# Altium PCB LED_MATRIX_8X16_MONO_R1.PcbDoc (part 1 of 2)
Units mm, origin at the board's own origin, x right, y up, seen from the top; angles counter-clockwise.
Board outline 474.95 x 224.95 mm, 2 copper layers (L1 (TOP), L2 (BOT)); 180 components, 159 nets, 556 pads, 137 vias.
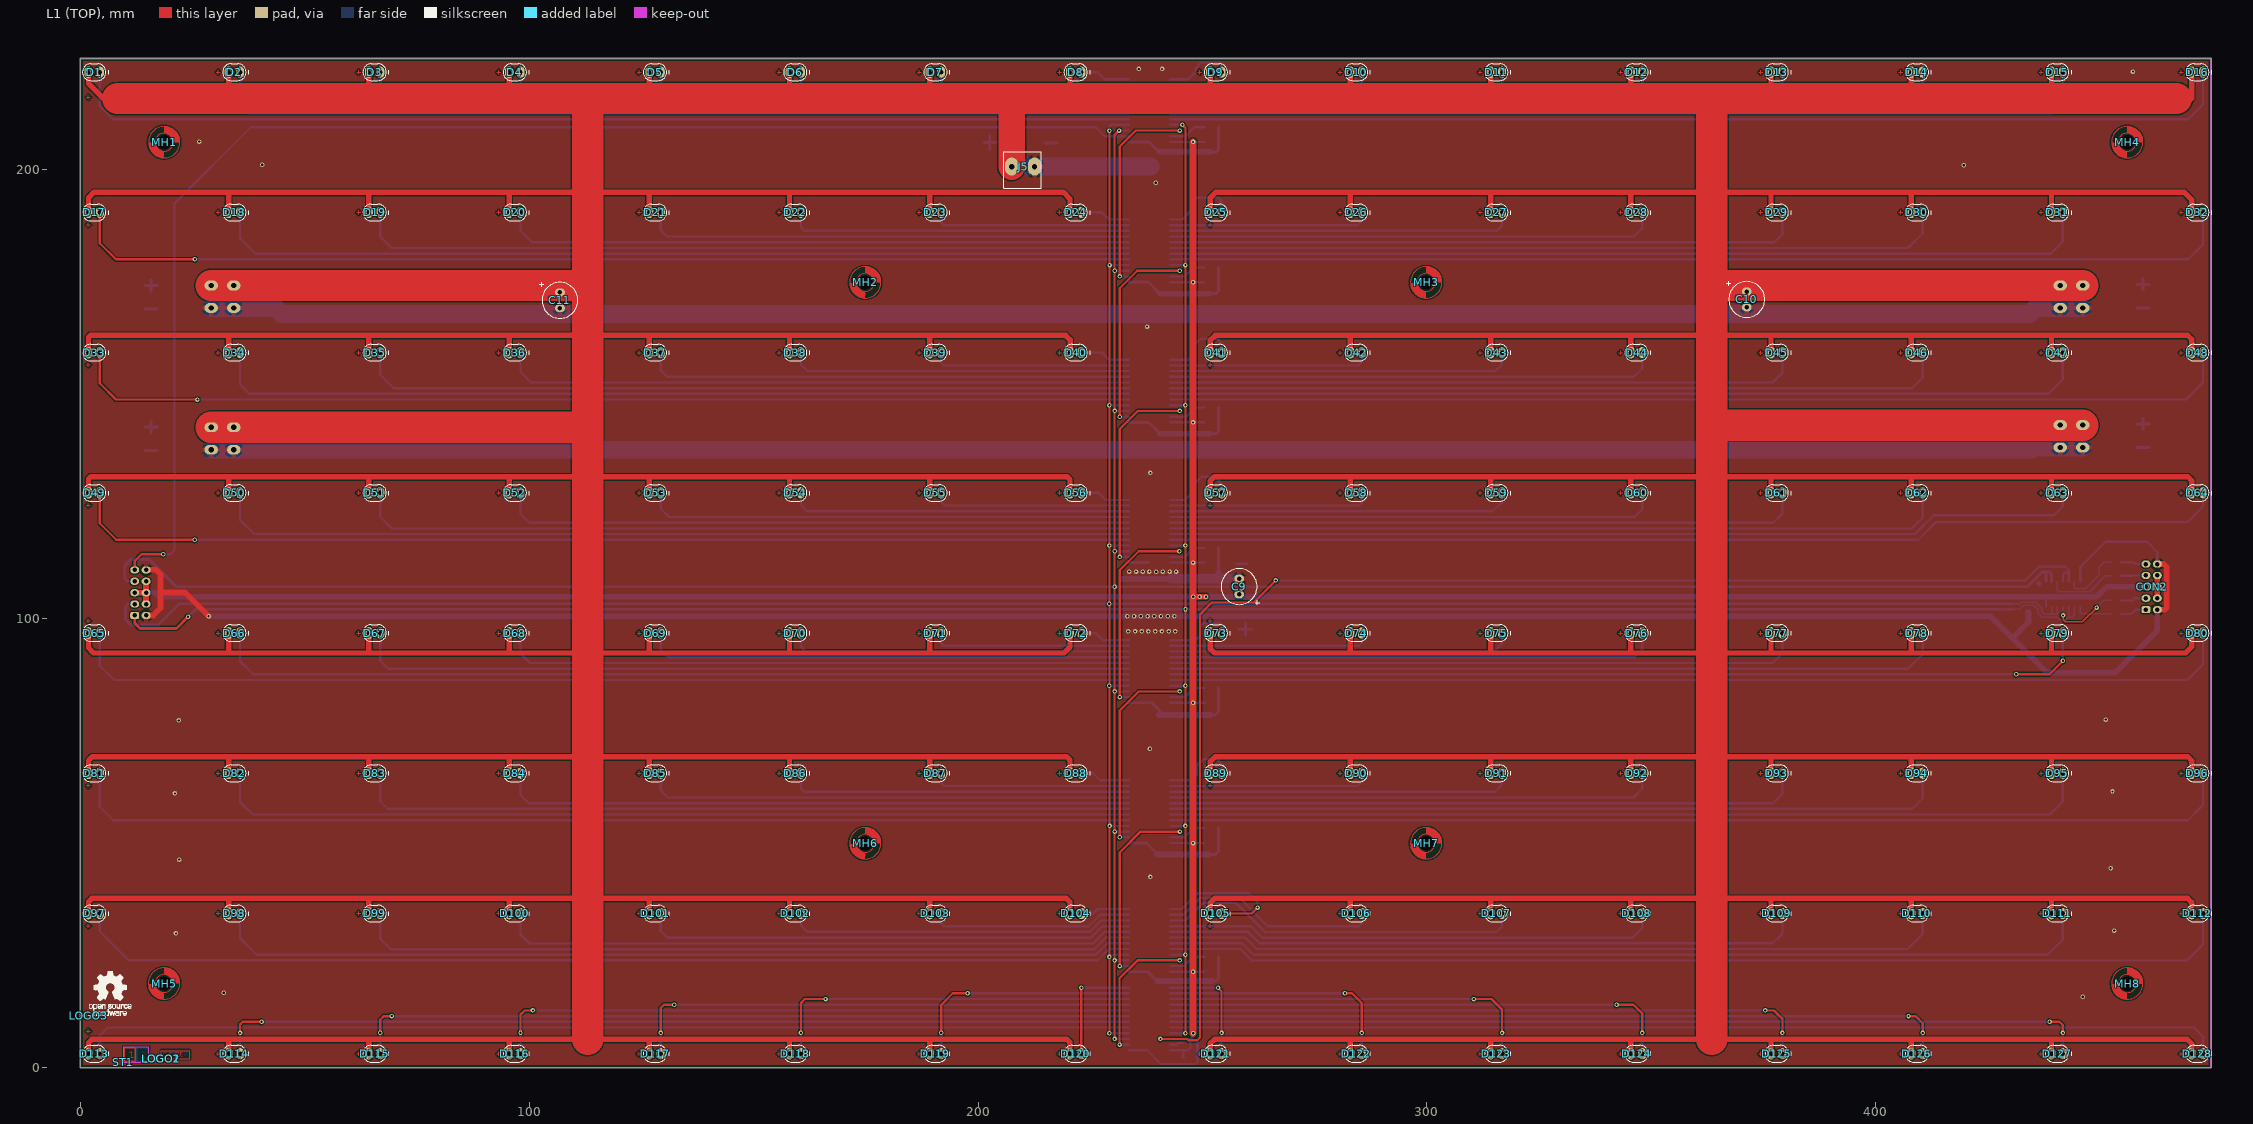
[diagram p0: L1 (TOP) view]
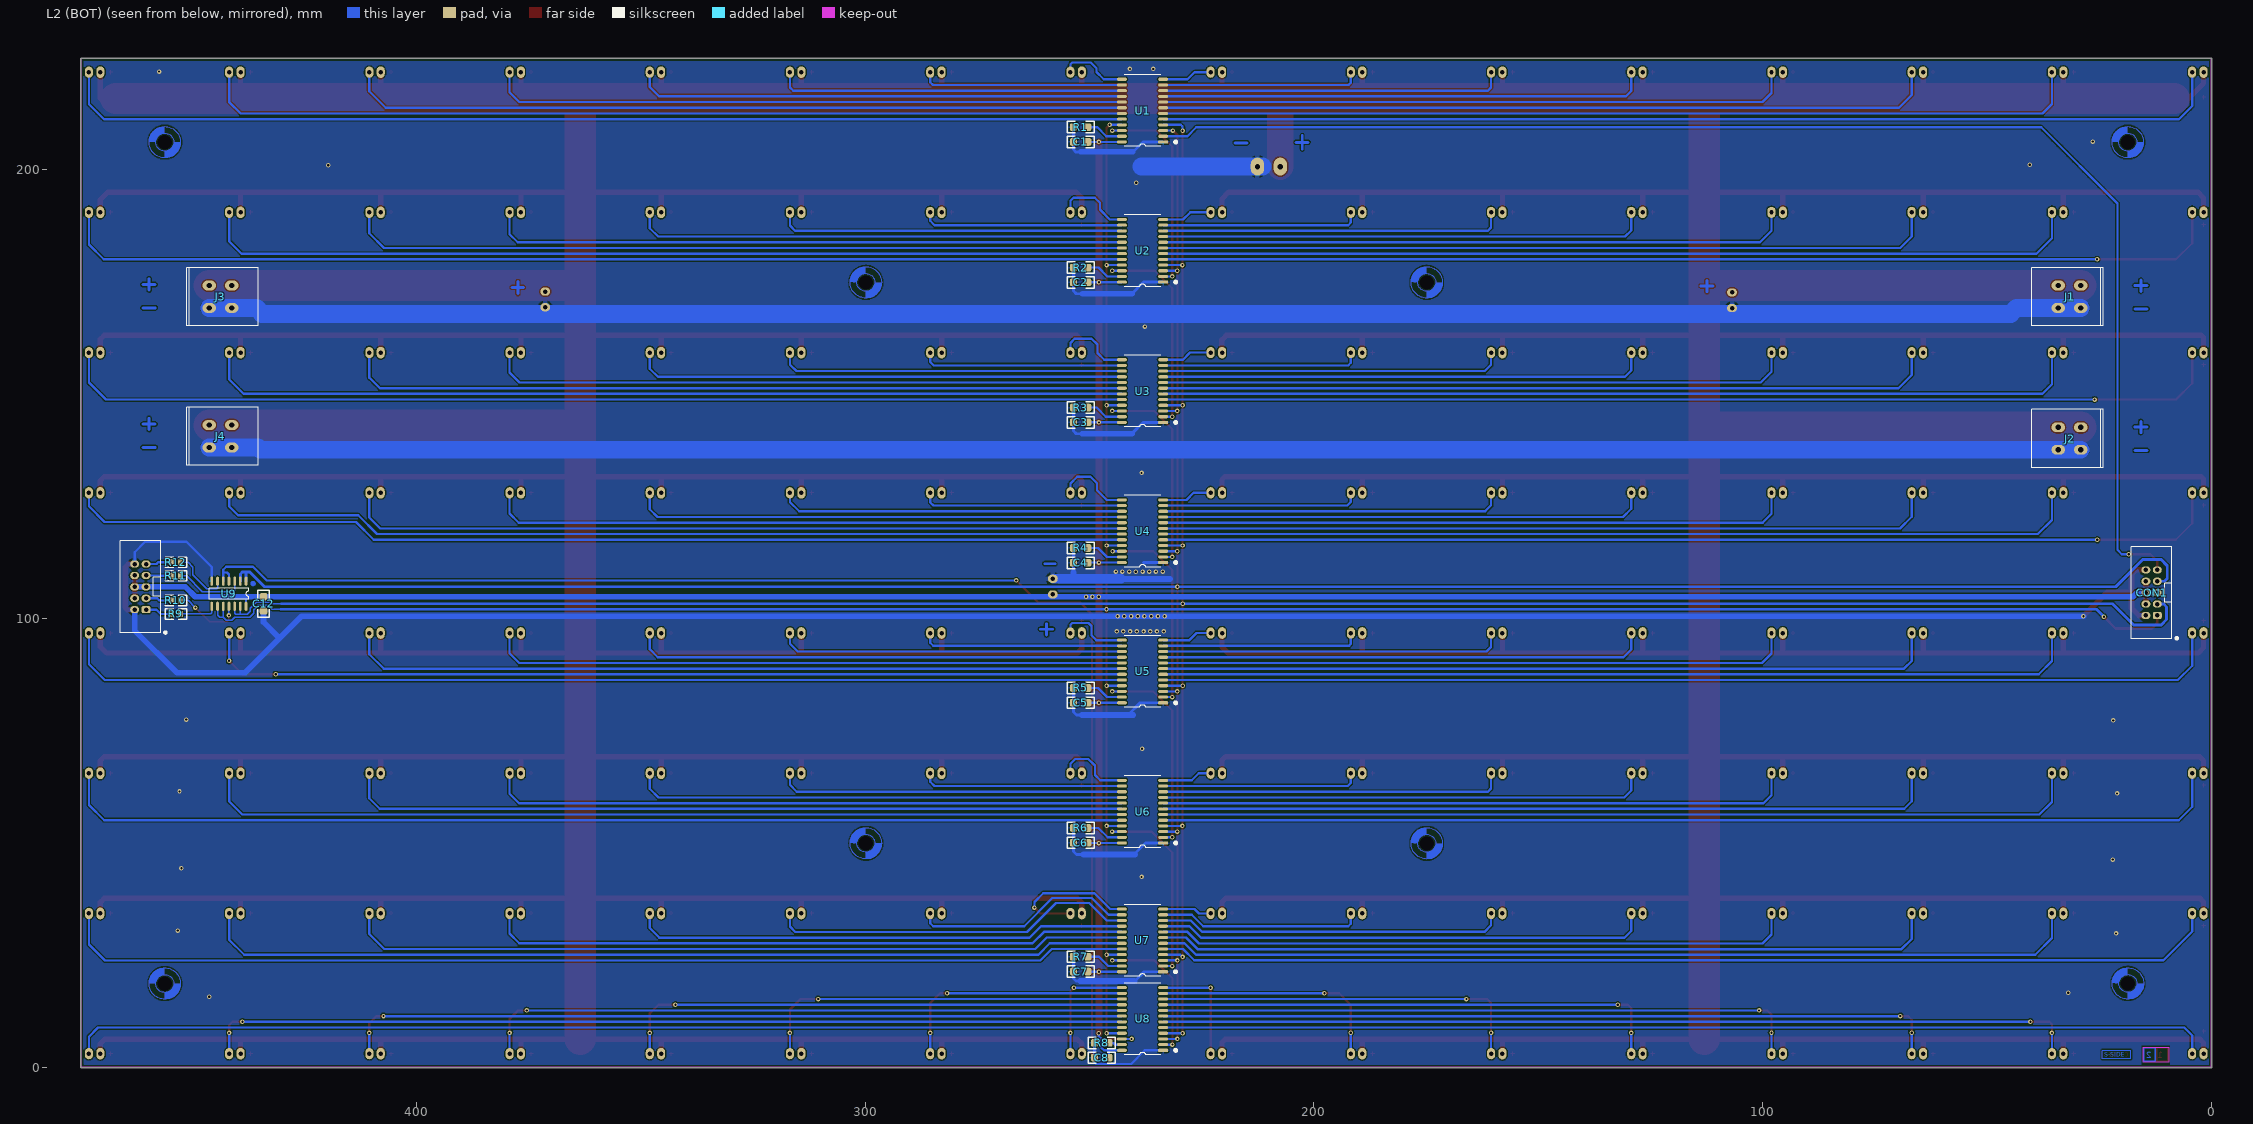
[diagram p1: L2 (BOT) view, seen from below]
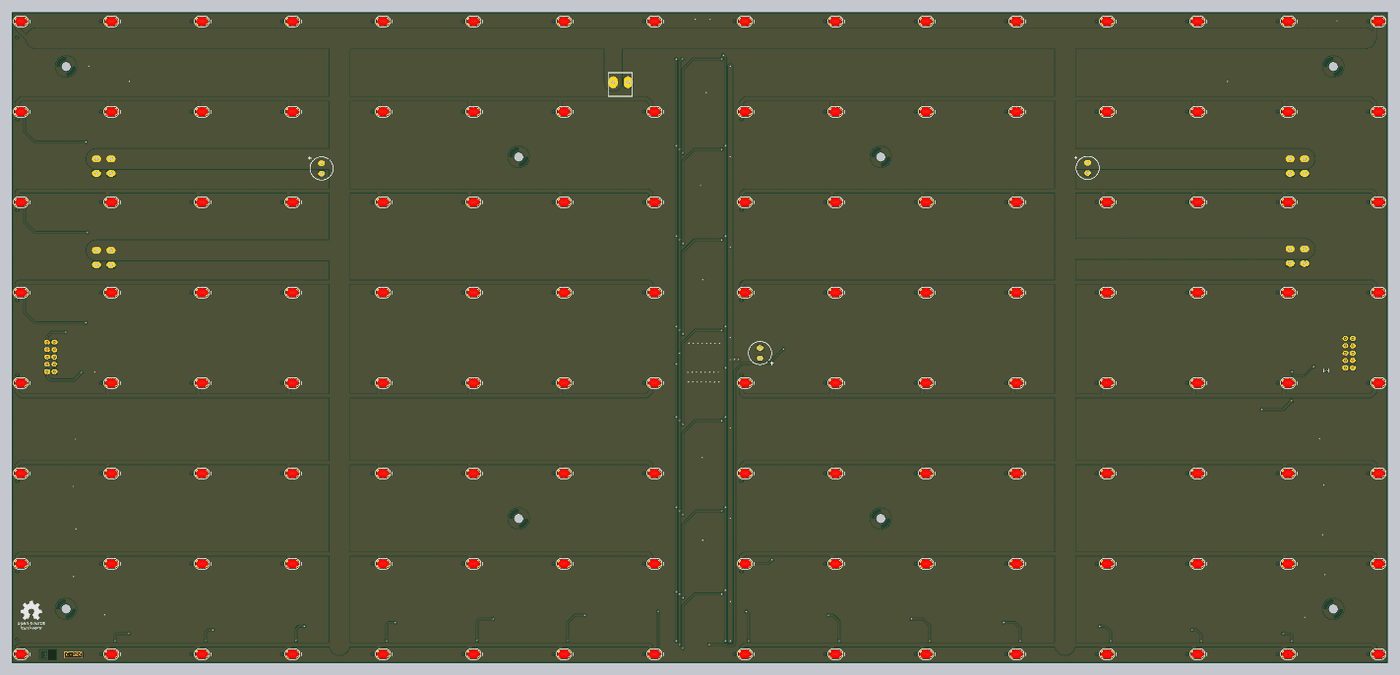
[diagram p3: 3D render of the assembled board from above, using the file's embedded part models]
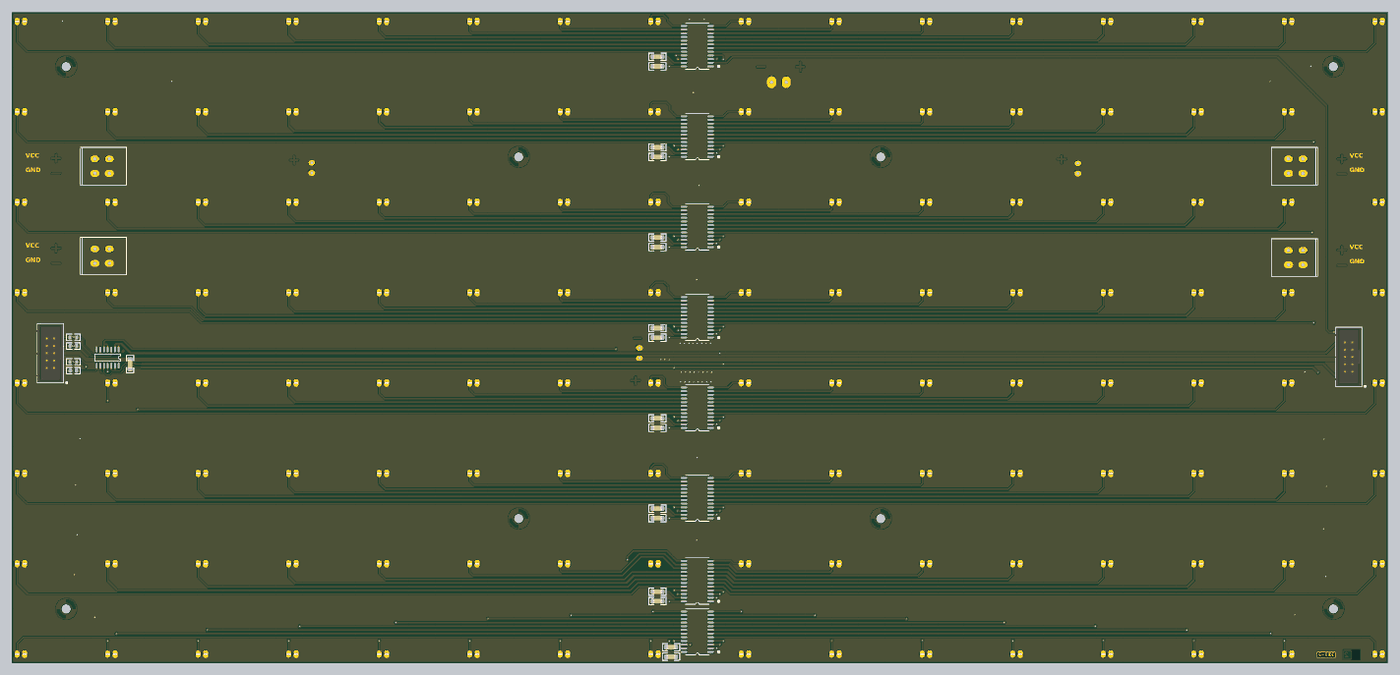
[diagram p4: 3D render of the assembled board from below, using the file's embedded part models]

## Layer stack, top to bottom
TopSolder: solder mask 0.0102, Solder Resist, Dk 3.5
L1 (TOP): signal copper 0.0356
Dielectric1: core 0.32, FR-4, Dk 4.8
L2 (BOT): signal copper 0.0356
BottomSolder: solder mask 0.0102, Solder Resist, Dk 3.5

## Board outline
-0.1,-0.1 474.85,-0.1 474.85,224.85 -0.1,224.85

## Design rules (kind name [scope] priority, off if disabled: settings)
BoardOutlineClearance [(OnLayer('L1 (TOP)')) OR (OnLayer('L2 (BOT)'))] p1: gap=0.5 ignorepadtopadclearanceinfootprint=FALSE
Clearance Clearance_logo [InComponent('ST1')] p1: gap=0 ignorepadtopadclearanceinfootprint=FALSE
Clearance [All] p2: gap=0.25 ignorepadtopadclearanceinfootprint=FALSE
FabricationTestPointUsage TestPointUsage [All] p1: valid=0 allowmultiple=FALSE
FabricationTestpoint Testpoint [All] p1: side=3 testpointundercomponent=TRUE minsize=1.016 maxsize=2.54 preferedsize=1.524 minholesize=0.508 maxholesize=1.016 preferedholesize=0.813 testpointgrid=0.025 allowsidetop=TRUE allowsidebottom=TRUE usegrid=TRUE gridtolerance=0
HoleSize [All] p1: absolutevalues=TRUE maxlimit=4 minlimit=0.4 maxpercent=80.000 minpercent=20.000
HoleToHoleClearance [All] p1: gap=0.5 allowstackedmicrovias=TRUE
MinimumSolderMaskSliver [All] p1: minsoldermaskwidth=0.2
PlaneClearance [All] p1: clearance=0.5
PolygonConnect [All] p1: thpad.connectstyle=Relief thpad.reliefconductorwidth=1 thpad.reliefentries=4 thpad.polygonreliefangle="90 Angle" thpad.airgapwidth=0.5 smdpad.connectstyle=Relief smdpad.reliefconductorwidth=0.3 smdpad.reliefentries=4 smdpad.polygonreliefangle="90 Angle" smdpad.airgapwidth=0.3 via.connectstyle=Direct via.reliefconductorwidth=0.305 via.reliefentries=4 via.polygonreliefangle="90 Angle" via.airgapwidth=0.254
RoutingVias [All] p1: holewidth=0.5 width=1 viastyle="Through Hole" minholewidth=0.4 minwidth=0.8 maxholewidth=2 maxwidth=3
SilkToSilkClearance [All] p1: silktosilkclearance=0.2
SilkToSolderMaskClearance [IsPad] p1: minsilkscreentomaskgap=0.18 clearancetoexposedcopper=TRUE
SolderMaskExpansion [All] p1: expansion=0.05
Width [All] p1: maxlimit=10 minlimit=0.2 preferedwidth=0.5 checkconnectedcopper=TRUE
22 further rules are at their usual default settings.

## Components (designator, comment, footprint, x,y, rotation, side; value= is the part's Value field where it differs from the comment)
C1 "100n" 1206 250.397,206.197 r0 bottom
C2 "100n" 1206 250.4,174.9 r0 bottom
C3 "100n" 1206 250.4,143.7 r0 bottom
C4 "100n" 1206 250.4,112.4 r0 bottom
C5 "100n" 1206 250.4,81.2 r0 bottom
C6 "100n" 1206 250.4,50 r0 bottom
C7 "100n" 1206 250.4,21.3 r0 bottom
C8 "100n" 1206 245.7,2.1 r0 bottom
C9 "100u" CAP_POL_R3.5MM 258.2,107.1 r270 top
C10 "100u" CAP_POL_R3.5MM 371.3,171.1 r90 top
C11 "100u" CAP_POL_R3.5MM 106.8,170.9 r90 top
C12 "100n" 1206 434.1,104.845 r270 bottom
CON1 "IDC10" IDC10#1 13.3,105.75 r90 bottom
CON2 "IDC10" IDC10#2 461.55,107.05 r90 top
D1 "LEDR" LED_MTX-4 3,221.75 r0 top locked
D2 "LEDR" LED_MTX 34.25,221.75 r0 top locked
D3 "LEDR" LED_MTX 65.5,221.75 r0 top locked
D4 "LEDR" LED_MTX 96.75,221.75 r0 top locked
D5 "LEDR" LED_MTX 128,221.75 r0 top locked
D6 "LEDR" LED_MTX 159.25,221.75 r0 top locked
D7 "LEDR" LED_MTX 190.5,221.75 r0 top locked
D8 "LEDR" LED_MTX 221.75,221.75 r0 top locked
D9 "LEDR" LED_MTX 253,221.75 r0 top locked
D10 "LEDR" LED_MTX 284.25,221.75 r0 top locked
D11 "LEDR" LED_MTX 315.5,221.75 r0 top locked
D12 "LEDR" LED_MTX 346.75,221.75 r0 top locked
D13 "LEDR" LED_MTX 378,221.75 r0 top locked
D14 "LEDR" LED_MTX 409.25,221.75 r0 top locked
D15 "LEDR" LED_MTX 440.5,221.75 r0 top locked
D16 "LEDR" LED_MTX 471.75,221.75 r0 top locked
D17 "LEDR" LED_MTX-2 3,190.5 r0 top locked
D18 "LEDR" LED_MTX 34.25,190.5 r0 top locked
D19 "LEDR" LED_MTX 65.5,190.5 r0 top locked
D20 "LEDR" LED_MTX 96.75,190.5 r0 top locked
D21 "LEDR" LED_MTX 128,190.5 r0 top locked
D22 "LEDR" LED_MTX 159.25,190.5 r0 top locked
D23 "LEDR" LED_MTX 190.5,190.5 r0 top locked
D24 "LEDR" LED_MTX 221.75,190.5 r0 top locked
D25 "LEDR" LED_MTX-2 253,190.5 r0 top locked
D26 "LEDR" LED_MTX 284.25,190.5 r0 top locked
D27 "LEDR" LED_MTX 315.5,190.5 r0 top locked
D28 "LEDR" LED_MTX 346.75,190.5 r0 top locked
D29 "LEDR" LED_MTX 378,190.5 r0 top locked
D30 "LEDR" LED_MTX 409.25,190.5 r0 top locked
D31 "LEDR" LED_MTX 440.5,190.5 r0 top locked
D32 "LEDR" LED_MTX 471.75,190.5 r0 top locked
D33 "LEDR" LED_MTX-2 3,159.25 r0 top locked
D34 "LEDR" LED_MTX 34.25,159.25 r0 top locked
D35 "LEDR" LED_MTX 65.5,159.25 r0 top locked
D36 "LEDR" LED_MTX 96.75,159.25 r0 top locked
D37 "LEDR" LED_MTX 128,159.25 r0 top locked
D38 "LEDR" LED_MTX 159.25,159.25 r0 top locked
D39 "LEDR" LED_MTX 190.5,159.25 r0 top locked
D40 "LEDR" LED_MTX 221.75,159.25 r0 top locked
D41 "LEDR" LED_MTX-2 253,159.25 r0 top locked
D42 "LEDR" LED_MTX 284.25,159.25 r0 top locked
D43 "LEDR" LED_MTX 315.5,159.25 r0 top locked
D44 "LEDR" LED_MTX 346.75,159.25 r0 top locked
D45 "LEDR" LED_MTX 378,159.25 r0 top locked
D46 "LEDR" LED_MTX 409.25,159.25 r0 top locked
D47 "LEDR" LED_MTX 440.5,159.25 r0 top locked
D48 "LEDR" LED_MTX 471.75,159.25 r0 top locked
D49 "LEDR" LED_MTX-2 3,128 r0 top locked
D50 "LEDR" LED_MTX 34.25,128 r0 top locked
D51 "LEDR" LED_MTX 65.5,128 r0 top locked
D52 "LEDR" LED_MTX 96.75,128 r0 top locked
D53 "LEDR" LED_MTX 128,128 r0 top locked
D54 "LEDR" LED_MTX 159.25,128 r0 top locked
D55 "LEDR" LED_MTX 190.5,128 r0 top locked
D56 "LEDR" LED_MTX 221.75,128 r0 top locked
D57 "LEDR" LED_MTX-2 253,128 r0 top locked
D58 "LEDR" LED_MTX 284.25,128 r0 top locked
D59 "LEDR" LED_MTX 315.5,128 r0 top locked
D60 "LEDR" LED_MTX 346.75,128 r0 top locked
D61 "LEDR" LED_MTX 378,128 r0 top locked
D62 "LEDR" LED_MTX 409.25,128 r0 top locked
D63 "LEDR" LED_MTX 440.5,128 r0 top locked
D64 "LEDR" LED_MTX 471.75,128 r0 top locked
D65 "LEDR" LED_MTX-3 3,96.75 r0 top locked
D66 "LEDR" LED_MTX 34.25,96.75 r0 top locked
D67 "LEDR" LED_MTX 65.5,96.75 r0 top locked
D68 "LEDR" LED_MTX 96.75,96.75 r0 top locked
D69 "LEDR" LED_MTX 128,96.75 r0 top locked
D70 "LEDR" LED_MTX 159.25,96.75 r0 top locked
D71 "LEDR" LED_MTX 190.5,96.75 r0 top locked
D72 "LEDR" LED_MTX 221.75,96.75 r0 top locked
D73 "LEDR" LED_MTX-3 253,96.75 r0 top locked
D74 "LEDR" LED_MTX 284.25,96.75 r0 top locked
D75 "LEDR" LED_MTX 315.5,96.75 r0 top locked
D76 "LEDR" LED_MTX 346.75,96.75 r0 top locked
D77 "LEDR" LED_MTX 378,96.75 r0 top locked
D78 "LEDR" LED_MTX 409.25,96.75 r0 top locked
D79 "LEDR" LED_MTX 440.5,96.75 r0 top locked
D80 "LEDR" LED_MTX 471.75,96.75 r0 top locked
D81 "LEDR" LED_MTX-2 3,65.5 r0 top locked
D82 "LEDR" LED_MTX 34.25,65.5 r0 top locked
D83 "LEDR" LED_MTX 65.5,65.5 r0 top locked
D84 "LEDR" LED_MTX 96.75,65.5 r0 top locked
D85 "LEDR" LED_MTX 128,65.5 r0 top locked
D86 "LEDR" LED_MTX 159.25,65.5 r0 top locked
D87 "LEDR" LED_MTX 190.5,65.5 r0 top locked
D88 "LEDR" LED_MTX 221.75,65.5 r0 top locked
D89 "LEDR" LED_MTX-2 253,65.5 r0 top locked
D90 "LEDR" LED_MTX 284.25,65.5 r0 top locked
D91 "LEDR" LED_MTX 315.5,65.5 r0 top locked
D92 "LEDR" LED_MTX 346.75,65.5 r0 top locked
D93 "LEDR" LED_MTX 378,65.5 r0 top locked
D94 "LEDR" LED_MTX 409.25,65.5 r0 top locked
D95 "LEDR" LED_MTX 440.5,65.5 r0 top locked
D96 "LEDR" LED_MTX 471.75,65.5 r0 top locked
D97 "LEDR" LED_MTX-2 3,34.25 r0 top locked
D98 "LEDR" LED_MTX 34.25,34.25 r0 top locked
D99 "LEDR" LED_MTX 65.5,34.25 r0 top locked
D100 "LEDR" LED_MTX 96.75,34.25 r0 top locked
D101 "LEDR" LED_MTX 128,34.25 r0 top locked
D102 "LEDR" LED_MTX 159.25,34.25 r0 top locked
D103 "LEDR" LED_MTX 190.5,34.25 r0 top locked
D104 "LEDR" LED_MTX 221.75,34.25 r0 top locked
D105 "LEDR" LED_MTX-2 253,34.25 r0 top locked
D106 "LEDR" LED_MTX 284.25,34.25 r0 top locked
D107 "LEDR" LED_MTX 315.5,34.25 r0 top locked
D108 "LEDR" LED_MTX 346.75,34.25 r0 top locked
D109 "LEDR" LED_MTX 378,34.25 r0 top locked
D110 "LEDR" LED_MTX 409.25,34.25 r0 top locked
D111 "LEDR" LED_MTX 440.5,34.25 r0 top locked
D112 "LEDR" LED_MTX 471.75,34.25 r0 top locked
D113 "LEDR" LED_MTX-5 3,3 r0 top locked
D114 "LEDR" LED_MTX 34.25,3 r0 top locked
D115 "LEDR" LED_MTX 65.5,3 r0 top locked
D116 "LEDR" LED_MTX 96.75,3 r0 top locked
D117 "LEDR" LED_MTX 128,3 r0 top locked
D118 "LEDR" LED_MTX 159.25,3 r0 top locked
D119 "LEDR" LED_MTX 190.5,3 r0 top locked
D120 "LEDR" LED_MTX 221.75,3 r0 top locked
D121 "LEDR" LED_MTX 253,3 r0 top locked
D122 "LEDR" LED_MTX 284.25,3 r0 top locked
D123 "LEDR" LED_MTX 315.5,3 r0 top locked
D124 "LEDR" LED_MTX 346.75,3 r0 top locked
D125 "LEDR" LED_MTX 378,3 r0 top locked
D126 "LEDR" LED_MTX 409.25,3 r0 top locked
D127 "LEDR" LED_MTX 440.5,3 r0 top locked
D128 "LEDR" LED_MTX 471.75,3 r0 top locked
J1 "Comment" WAGO2X2-5 34.1,174.2 r270 bottom
J2 "Comment" WAGO2X2-5 34.1,142.6 r270 bottom
J3 "Comment" WAGO2X2-5 441.2,169.2 r90 bottom
J4 "Comment" WAGO2X2-5 441.2,138.1 r90 bottom
J5 "ARK2" ARK2_R5MM 207.5,200.7 r180 top
LOGO1 "C-SIDE" COMPONENT_SIDE 17.973,1.876 r0 top
LOGO2 "S-SIDE" SOLDER_SIDE 17.973,1.876 r0 top
LOGO3 "OHSW LOGO" PCB_OSHW_LOGO_1000 1.82,11.411 r0 top
MH1 "MOUNTING_HOLE" MH_3.2 18.625,206.125 r0 top
MH2 "MOUNTING_HOLE" MH_3.2 174.875,174.875 r0 top
MH3 "MOUNTING_HOLE" MH_3.2 299.875,174.875 r0 top
MH4 "MOUNTING_HOLE" MH_3.2 456.125,206.125 r0 top
MH5 "MOUNTING_HOLE" MH_3.2 18.6,18.625 r0 top
MH6 "MOUNTING_HOLE" MH_3.2 174.875,49.85 r0 top
MH7 "MOUNTING_HOLE" MH_3.2 299.875,49.875 r0 top
MH8 "MOUNTING_HOLE" MH_3.2 456.125,18.6 r0 top
R1 "1k" 1206 250.4,209.5 r0 bottom
R2 "1k" 1206 250.4,178.2 r0 bottom
R3 "1k" 1206 250.4,147 r0 bottom
R4 "1k" 1206 250.4,115.7 r0 bottom
R5 "1k" 1206 250.4,84.5 r0 bottom
R6 "1k" 1206 250.4,53.3 r0 bottom
R7 "1k" 1206 250.4,24.6 r0 bottom
R8 "1k" 1206 245.7,5.4 r0 bottom
R9 "100R" 0805 452.5,101 r0 bottom
R10 "100R" 0805 452.5,104 r0 bottom
R11 "100R" 0805 452.5,109.5 r0 bottom
R12 "100R" 0805 452.5,112.5 r0 bottom
ST1 "STACKUP_2LAYER" STACKUP_2LAYER 9.5,1.1 r0 top
U1 "MBI5025GD" SOP24 233.6,206.2 r0 bottom
U2 "MBI5025GD" SOP24 233.6,174.95 r0 bottom
U3 "MBI5025GD" SOP24 233.6,143.7 r0 bottom
U4 "MBI5025GD" SOP24 233.6,112.45 r0 bottom
U5 "MBI5025GD" SOP24 233.6,81.2 r0 bottom
U6 "MBI5025GD" SOP24 233.6,49.95 r0 bottom
U7 "MBI5025GD" SOP24 233.609,21.255 r0 bottom
U8 "MBI5025GD" SOP24 233.6,3.75 r0 bottom
U9 "74HC08" SO-14 438,108.3 r270 bottom

## Footprints (in the part's own frame and the unit in brackets; to place one, negate y for a bottom-side part, rotate by r counter-clockwise, add the part's x,y. Pads: shape width x height; smd on the part's side, far side on the other; paste and mask are expansions set on the pad)
0805 [mm]
  rrect50% 1.2x1.4 smd: 1(0.1,0) 2(2.186,0)
  silkscreen extent -1.27,-1.14 3.56,1.14, body extent 0.14,-0.6 2.14,0.6, height 0.4
1206 [mm]
  rrect50% 1.6x1.7 smd: 1(0,0) 2(3.2,0)
  silkscreen extent -1.4,-1.27 4.6,1.27, body extent 0,-0.8 3.2,0.8, height 0.79
ARK2_R5MM [mm]
  oval 3x4 hole 1.2: 1(-5.08,0) 2(0,0)
  silkscreen extent -6.6,-3.31 1.76,4.81
CAP_POL_R3.5MM [mm]
  oval 1.8x2.2 hole 1: 1(1.757,-0.012) 2(-1.743,-0.012)
  silkscreen extent -3.99,-4.01 4.07,4.56
COMPONENT_SIDE [mm]
  L1 (TOP) lines w0.203: 0,0 0,1.829 6.325,1.829 6.325,0 0,0
IDC10#1 [mm]
  rrect50% 1.6x2 hole 1: 1(-5.09,-1.261)
  oval 1.6x2 hole 1: 2(-5.09,1.279) 3(-2.55,-1.261) 4(-2.55,1.279) 5(-0.01,-1.261) 6(-0.01,1.279) 7(2.53,-1.261) 8(2.53,1.279) 9(5.07,-1.261) 10(5.07,1.279)
  silkscreen extent -10.44,-5.84 10.27,4.51, body extent -10.19,-4.42 10.17,4.76, height 9.13
IDC10#2 [mm]
  rrect50% 1.6x2 hole 1: 1(-5.09,1.261)
  oval 1.6x2 hole 1: 2(-5.09,-1.279) 3(-2.55,1.261) 4(-2.55,-1.279) 5(-0.01,1.261) 6(-0.01,-1.279) 7(2.53,1.261) 8(2.53,-1.279) 9(5.07,1.261) 10(5.07,-1.279)
  body extent -10.19,-4.76 10.17,4.42, height 9.13
LED_MTX [mm]
  oval 1.8x2.6 hole 1: 1(-1.27,0)
  oval 1.8x2.5 hole 1: 2(1.27,0)
  L1 (TOP) lines w0.254: -4.013,0 -3.113,0 ; -3.563,-0.45 -3.563,0.45
  silkscreen extent -2.61,-1.87 3.2,1.85, body extent -2.1,-1.6 2.1,1.6, height 7.3
LED_MTX-2 [mm]
  oval 1.8x2.6 hole 1: 1(-1.27,0)
  oval 1.8x2.5 hole 1: 2(1.27,0)
  L1 (TOP) lines w0.254: -1.72,-2.725 -0.82,-2.725 ; -1.27,-3.175 -1.27,-2.275
  silkscreen extent -2.61,-1.87 3.2,1.85, body extent -2.1,-1.6 2.1,1.6, height 7.3
LED_MTX-3 [mm]
  oval 1.8x2.6 hole 1: 1(-1.27,0)
  oval 1.8x2.5 hole 1: 2(1.27,0)
  L1 (TOP) lines w0.254: -1.72,2.725 -0.82,2.725 ; -1.27,2.275 -1.27,3.175
  silkscreen extent -2.61,-1.87 3.2,1.85, body extent -2.1,-1.6 2.1,1.6, height 7.3
LED_MTX-4 [mm]
  oval 1.8x2.6 hole 1: 1(-1.27,0)
  oval 1.8x2.5 hole 1: 2(1.27,0)
  L1 (TOP) lines w0.254: -1.72,-5.588 -0.82,-5.588 ; -1.27,-6.038 -1.27,-5.138
  silkscreen extent -2.61,-1.87 3.2,1.85, body extent -2.1,-1.6 2.1,1.6, height 7.3
LED_MTX-5 [mm]
  oval 1.8x2.6 hole 1: 1(-1.27,0)
  oval 1.8x2.5 hole 1: 2(1.27,0)
  L1 (TOP) lines w0.254: -1.72,5.036 -0.82,5.036 ; -1.27,4.586 -1.27,5.486
  silkscreen extent -2.61,-1.87 3.2,1.85, body extent -2.1,-1.6 2.1,1.6, height 7.3
MH_3.2 [mm]
  round 0 hole 3.2 unplated: 0(0,0)
  L1 (TOP) circle w0.25: c-0.012,0.025 r3.5
  L1 (TOP) circle w0.25: c-0.012,0.025 r2
  L1 (TOP) lines w0.25: -3.5,-0.13 -2.03,-0.13 ; -3.45,-0.3 -2.04,-0.3 ; -0.31,-3.4 -0.31,-1.99 ; -0.12,-3.45 -0.12,-1.98 ; 0.13,2.04 0.13,3.51 ; 2,0.13 3.47,0.13
  L1 (TOP) lines w0.4: -3.25,-0.73 -3.25,-0.26 ; -0.75,-3.2 -0.28,-3.2 ; 0.29,3.29 0.55,3.29 ; 3.26,0.29 3.26,0.55
  L1 (TOP) lines w1.7: -2.599,-0.87 ccw(c0.004,0.017) -0.867,-2.591 ; 0.88,2.599 cw(c0.004,-0.008) 2.611,0.867
  L2 (BOT) circle w0.25: c-0.012,0.025 r3.5
  L2 (BOT) circle w0.25: c-0.012,0.025 r2
  L2 (BOT) lines w0.25: -3.5,-0.13 -2.03,-0.13 ; -3.45,-0.3 -2.04,-0.3 ; -0.31,-3.4 -0.31,-1.99 ; -0.12,-3.45 -0.12,-1.98 ; 0.13,2.04 0.13,3.51 ; 2,0.13 3.47,0.13
  L2 (BOT) lines w0.4: -3.25,-0.73 -3.25,-0.26 ; -0.75,-3.2 -0.28,-3.2 ; 0.29,3.29 0.55,3.29 ; 3.26,0.29 3.26,0.55
  L2 (BOT) lines w1.7: -2.599,-0.87 ccw(c0.004,0.017) -0.867,-2.591 ; 0.88,2.599 cw(c0.004,-0.008) 2.611,0.867
PCB_OSHW_LOGO_1000 [mm]
  silkscreen extent 0.04,0.08 9.48,10
SO-14 [mil]
  oval 80x24 smd: 1(0,0) 2(0,-50) 3(0,-100) 4(0,-150) 5(0,-200) 6(0,-250) 7(0,-300) 8(220,-300) 9(220,-250) 10(220,-200) 11(220,-150) 12(220,-100) 13(220,-50) 14(220,0)
  silkscreen extent 60,-325 160,25
SOLDER_SIDE [mm]
  L2 (BOT) lines w0.203: 0,0 6.325,0 6.325,1.829 0,1.829 0,0
SOP24 [mm]
  rrect50% 2.2x0.7 smd: 1(0.001,0.003)
  oval 2.2x0.7 smd: 2(0.001,-1.267) 3(0.001,-2.537) 4(0.001,-3.807) 5(0.001,-5.077) 6(0.001,-6.347) 7(0.001,-7.617) 8(0.001,-8.887) 9(0.001,-10.157) 10(0.001,-11.427) 11(0.001,-12.697) 12(0.001,-13.967) 13(9.201,-13.967) 14(9.201,-12.697) 15(9.201,-11.427) 16(9.201,-10.157) 17(9.201,-8.887) 18(9.201,-7.617) 19(9.201,-6.347) 20(9.201,-5.077) 21(9.201,-3.807) 22(9.201,-2.537) 23(9.201,-1.267) 24(9.201,0.003)
  silkscreen extent -3.05,-14.98 8.67,1.01
STACKUP_2LAYER [mm]
  L1 (TOP) lines w0.305: 0.165,0.16 2.705,0.16 2.705,3.208 0.165,3.208 0.165,0.16
  L2 (BOT) lines w0.305: 3.016,0.155 3.016,3.203 5.556,3.203 5.556,0.155 3.016,0.155
  KeepOutLayer region: 0.011,3.38 0.011,0.005 5.72,0.005 5.72,3.38
WAGO2X2-5 [mm]
  oval 2.2x3 hole 1.2: 1(0,0) 1(0,5) 2(5,0) 2(5,5)
  silkscreen extent -4,-5.9 9,10

## Part data
C1 C2 C3 C4 C5 C6 C7 C8 C12: library part CAP
C9 C10 C11: library part CAP_EL_SMD, "KONDENSATOR ELEKTROLITYCZNY SMD"
D1 D2 D3 D4 D5 D6 D7 D8 D9 D10 D11 D12 D13 D14 D15 D16 D17 D18 D19 D20 D21 D22 D23 D24 D25 D26 D27 D28 D29 D30 D31 D32 D33 D34 D35 D36 D37 D38 D39 D40 D41 D42 D43 D44 D45 D46 D47 D48 D49 D50 D51 D52 D53 D54 D55 D56 D57 D58 D59 D60 D61 D62 D63 D64 D65 D66 D67 D68 D69 D70 D71 D72 D73 D74 D75 D76 D77 D78 D79 D80 D81 D82 D83 D84 D85 D86 D87 D88 D89 D90 D91 D92 D93 D94 D95 D96 D97 D98 D99 D100 D101 D102 D103 D104 D105 D106 D107 D108 D109 D110 D111 D112 D113 D114 D115 D116 D117 D118 D119 D120 D121 D122 D123 D124 D125 D126 D127 D128: library part LED
J1 J2 J3 J4 J5: library part CON2, "Connector"
LOGO1 LOGO2 LOGO3: library part STACKUP_2LAYER, "STACKUP 2 LAYER"
MH1 MH2 MH3 MH4 MH5 MH6 MH7 MH8: "Mounting Hole"
R1 R2 R3 R4 R5 R6 R7 R8 R9 R10 R11 R12: library part R0805
ST1: "STACKUP 2 LAYER"
U1 U2 U3 U4 U5 U6 U7 U8: "16-channel Constant Current LED Sink Driver"
U9: library part 74AC08, "Quadruple 2-Input Positive-AND Gate"

## Via types
v1: diameter 1, hole 0.5, L1 (TOP) to L2 (BOT), tented both sides, 137 vias

## Nets (pads, with @x,y where several pads share a name; then routed paths per layer and width w, separated by ;. In a path a pad name is that pad's centre, name@x,y a point inside that pad or via, vN(x,y) a via of type N, cw(c..) or ccw(c..) an arc to the next point about the centre after c; other vN are vias at no path point)
!OE: CON1.1 U1.21 U2.21 U3.21 U4.21 U5.21 U6.21 U7.21 U8.21 U9.9 U9.10 | length 672.7
  L1 (TOP) w0.508: v1(245.543,210.007) 246.225,209.325 v1@246.225,7.563
  L1 (TOP) w0.635: CON1.1@12.03,100.67 12.03,98.968 13.208,97.79 21.336,97.79 v1(23.927,100.381)
  L2 (BOT) w0.305: 430.276,102.042 432.153,102.042 433.083,102.972 435.229,102.972 436.27,101.93 436.27,101.168 437.134,100.305 440.461,100.305 441.147,99.619 442.392,99.619 443.078,100.305 443.89,100.305 444.35,100.764 U9.9@444.35,102.712 ; 443.08,100.307 U9.10@443.08,102.712
  L2 (BOT) w0.508: U8.21@242.801,7.557 v1(246.218,7.557) ; U6.21@242.801,53.757 v1(246.207,53.757) ; U5.21@242.801,85.007 v1(246.207,85.007) ; U4.21@242.801,116.257 v1(246.207,116.257) ; U3.21@242.801,147.507 v1(246.218,147.507) ; U2.21@242.801,178.757 v1(246.207,178.757) ; U1.21@242.801,210.007 v1(245.543,210.007) ; U7.21@242.809,25.062 v1(246.213,25.062)
  L2 (BOT) w0.635: v1(23.927,100.381) 25.588,102.042 430.276,102.042
  other v1: 246.228,102.032
!OEX: CON2.1 R9.2 | length 5.9
  L2 (BOT) w0.508: R9.2@454.786,101 457.006,101 457.966,101.96 CON2.1@460.289,101.96
CLK: CON1.7 U1.3 U2.3 U3.3 U4.3 U5.3 U6.3 U7.3 U8.3 U9.1 U9.2 | length 670.2
  L1 (TOP) w0.508: v1@230.425,6.312 230.425,207.75 v1(231.412,208.737)
  L2 (BOT) w0.508: v1(230.433,23.792) U7.3@233.609,23.792 ; v1@230.437,6.287 U8.3@233.601,6.287 ; v1(230.437,52.487) U6.3@233.601,52.487 ; v1(230.437,114.987) U4.3@233.601,114.987 ; v1(230.437,177.487) U2.3@233.601,177.487 ; v1(230.438,83.737) U5.3@233.601,83.737 ; v1(230.438,146.237) U3.3@233.601,146.237 ; v1(231.412,208.737) U1.3@233.601,208.737
  L2 (BOT) w0.635: CON1.7@12.039,108.28 10.415,108.28 9.804,108.89 9.804,111.754 11.15,113.1 15.265,113.1 21.304,107.061 433.883,107.061 437.159,110.338 438.836,110.338 439.27,109.903 U9.2@439.27,108.3 ; U9.1@438,108.3 438,110.335
  other v1: 230.425,6.275 230.429,107.061
CLKX: CON2.7 R11.2 | length 5.5
  L2 (BOT) w0.508: R11.2@454.786,109.5 457.396,109.5 457.475,109.58 CON2.7@460.289,109.58
GND: C1.2 C2.2 C3.2 C4.2 C5.2 C6.2 C7.2 C8.2 C9.2 C10.2 C11.2 C12.2 CON1.2 CON1.10 CON2.2 CON2.10 J1.2 J2.2 J3.1 J4.1 J5.1 R1.2 R2.2 R3.2 R4.2 R5.2 R6.2 R7.2 R8.2 U1.1 U2.1 U3.1 U4.1 U5.1 U6.1 U7.1 U8.1 U9.7 | length 1608.8
  L1 (TOP) w1.27: CON1.2@14.57,100.67 16.139,100.67 17.78,102.311 17.78,109.855 16.805,110.83 CON1.10@14.57,110.83 ; 17.78,105.791 23.216,105.791 v1(28.499,100.508) ; CON2.2@462.82,101.97 464.479,101.97 464.95,102.441 464.95,111.376 464.196,112.13 CON2.10@462.82,112.13
  L2 (BOT) w0.508: U8.1@233.601,3.747 237.68,3.747 240.716,0.711 248.539,0.711 248.9,1.072 C8.2@248.9,2.1 ; 434.1,99.249 C12.2@434.1,101.416 ; U9.7@445.62,108.3 445.62,111.458 451.256,117.094 460.502,117.094 462.829,114.767 CON2.10@462.829,112.12
  L2 (BOT) w0.635: U6.1@233.601,49.947 237.531,49.947 240.106,47.371 ; U5.1@233.601,81.197 238.716,81.197 241.427,78.486 ; U4.1@233.601,112.447 237.997,112.447 ; U3.1@233.601,143.697 238.065,143.697 240.589,141.173 ; U2.1@233.601,174.947 237.956,174.947 240.538,172.364 ; U1.1@233.601,206.197 238.126,206.197 240.335,203.987 ; U7.1@233.609,21.252 237.828,21.252 239.878,19.202 ; C8.2@248.9,2.111 R8.2@248.9,5.4 ; 251.358,47.371 252.933,47.371 253.6,48.038 R6.2@253.6,53.3 ; 251.587,172.364 252.959,172.364 253.6,173.006 R2.2@253.6,178.2 ; 251.638,141.173 252.984,141.173 253.6,141.789 R3.2@253.6,147 ; 251.689,78.486 252.933,78.486 253.6,79.153 R5.2@253.6,84.5 ; 251.968,203.987 253.086,203.987 253.6,204.502 R1.2@253.6,209.5 ; 252.07,19.202 253.06,19.202 253.6,19.743 R7.2@253.6,24.6 ; 253.6,110.237 R4.2@253.6,115.7
  L2 (BOT) w1.27: v1(28.499,100.508) 425.602,100.508 438.201,87.909 453.409,87.909 462.829,97.329 CON2.2@462.829,101.96 ; 232.09,108.8 242.973,108.8 ; 239.878,47.371 251.358,47.371 ; 239.98,19.202 252.07,19.202 ; 240.234,78.486 251.689,78.486 ; 240.41,203.987 251.968,203.987 ; 240.538,172.364 251.587,172.364 ; 240.564,141.173 251.638,141.173 ; 253.594,108.788 253.594,110.237 ; 430.515,95.595 434.1,99.181 C12.2@434.1,101.416
  L2 (BOT) w2: 106.812,167.912 C11.2@106.812,169.157 ; 371.312,167.912 C10.2@371.312,169.357
  L2 (BOT) w2.032: 242.973,108.843 C9.2@258.188,108.843
  L2 (BOT) w4: J2.2@29.1,137.6 434.8,137.6 435.3,138.1 J4.1@446.2,138.1 ; J1.2@29.1,169.2 43.4,169.2 44.7,167.9 434.4,167.9 435.7,169.2 J3.1@446.2,169.2 ; J5.1@211.5,200.7 238.445,200.7
  other v1: 446.202,15.672 31.9,16.6 21.234,29.794 453.238,30.429 238.404,42.393 452.399,44.323 21.971,46.253 21.006,61.011 452.831,61.443 238.303,70.968 21.869,77.267 451.333,77.47 233.477,97.104 234.975,97.104 236.474,97.104 237.973,97.104 239.471,97.104 240.97,97.104 242.468,97.104 243.967,97.104 233.274,100.482 234.772,100.482 236.271,100.482 237.769,100.482 239.268,100.482 240.767,100.482 242.265,100.482 243.764,100.482 239.701,110.414 233.705,110.44 235.204,110.44 236.703,110.44 238.201,110.44 241.148,110.44 242.672,110.44 244.119,110.44 238.404,132.436 237.668,165.049 239.598,197.129 419.659,200.99 40.437,201.092 26.416,206.273 457.378,221.869 235.788,222.479 240.995,222.479
LE: CON1.3 U1.4 U2.4 U3.4 U4.4 U5.4 U6.4 U7.4 U8.4 U9.12 U9.13 | length 680.1
  L1 (TOP) w0.508: v1(229.275,208.675) 229.275,7.563 v1(229.282,7.557)
  L2 (BOT) w0.305: 430.073,103.27 432.276,103.27 432.587,103.581 435.686,103.581 437.007,102.26 437.007,101.651 437.693,100.965 440.309,100.965 440.54,101.196 U9.12@440.54,102.712 ; 439.27,100.993 U9.13@439.27,102.712
  L2 (BOT) w0.508: v1(229.257,85.007) U5.4@233.601,85.007 ; v1(229.275,24.55) 229.787,25.062 U7.4@233.609,25.062 ; v1(229.275,208.675) 229.275,209.625 229.657,210.007 U1.4@233.601,210.007 ; v1(229.282,7.557) U8.4@233.601,7.557 ; v1(229.282,116.257) U4.4@233.601,116.257 ; v1(229.282,147.507) U3.4@233.601,147.507 ; v1(229.293,53.757) U6.4@233.601,53.757 ; v1(229.293,178.757) U2.4@233.601,178.757
  L2 (BOT) w0.635: CON1.3@12.03,103.21 10.576,103.21 9.95,102.584 9.95,99.75 11.15,98.55 17.297,98.55 22.017,103.27 430.073,103.27
  other v1: 229.26,103.276
LEX: CON2.3 R10.2 | length 5.7
  L2 (BOT) w0.508: R10.2@454.786,104 457.289,104 457.788,104.5 CON2.3@460.289,104.5
NetD1_2: D1.2 U1.5 | length 238.1
  L2 (BOT) w0.508: D1.2@4.27,221.75 4.27,214.218 7.211,211.277 U1.5@233.601,211.277
NetD2_2: D2.2 U1.6 | length 206
  L2 (BOT) w0.508: D2.2@35.52,221.75 35.52,214.655 37.628,212.547 U1.6@233.601,212.547
NetD3_2: D3.2 U1.7 | length 173.1
  L2 (BOT) w0.508: D3.2@66.77,221.75 66.77,216.667 69.62,213.817 U1.7@233.601,213.817
NetD4_2: D4.2 U1.8 | length 141.1
  L2 (BOT) w0.508: D4.2@98.02,221.75 98.02,217.104 100.037,215.087 U1.8@233.601,215.087
NetD5_2: D5.2 U1.9 | length 109
  L2 (BOT) w0.508: D5.2@129.27,221.75 129.27,217.541 130.455,216.357 U1.9@233.601,216.357
NetD6_2: D6.2 U1.10 | length 76.8
  L2 (BOT) w0.508: D6.2@160.52,221.75 160.52,218.328 161.222,217.627 U1.10@233.601,217.627
NetD7_2: D7.2 U1.11 | length 44.4
  L2 (BOT) w0.508: D7.2@191.77,221.75 191.77,219.415 192.289,218.897 U1.11@233.601,218.897
NetD8_2: D8.2 U1.12 | length 11.2
  L2 (BOT) w0.508: D8.2@223.02,221.75 226.621,221.75 228.204,220.167 U1.12@233.601,220.167
NetD9_2: D9.2 U1.13 | length 15.4
  L2 (BOT) w0.508: U1.13@242.801,220.167 246.856,220.167 248.476,221.786 248.476,222.636 249.725,223.885 253.873,223.885 254.27,223.489 D9.2@254.27,221.75
NetD10_2: D10.2 U1.14 | length 45.2
  L2 (BOT) w0.508: U1.14@242.801,218.897 284.92,218.897 285.52,219.496 D10.2@285.52,221.75
NetD11_2: D11.2 U1.15 | length 77.7
  L2 (BOT) w0.508: U1.15@242.801,217.627 316.037,217.627 316.77,218.359 D11.2@316.77,221.75
NetD12_2: D12.2 U1.16 | length 109.4
  L2 (BOT) w0.508: U1.16@242.801,216.357 345.955,216.357 348.02,218.422 D12.2@348.02,221.75
NetD13_2: D13.2 U1.17 | length 141.9
  L2 (BOT) w0.508: U1.17@242.801,215.087 377.097,215.087 379.27,217.26 D13.2@379.27,221.75
NetD14_2: D14.2 U1.18 | length 173.5
  L2 (BOT) w0.508: U1.18@242.801,213.817 406.864,213.817 410.52,217.472 D14.2@410.52,221.75
NetD15_2: D15.2 U1.19 | length 206.7
  L2 (BOT) w0.508: U1.19@242.801,212.547 439.206,212.547 441.77,215.111 D15.2@441.77,221.75
NetD16_2: D16.2 U1.20 | length 238.7
  L2 (BOT) w0.508: U1.20@242.801,211.277 469.673,211.277 473.02,214.623 D16.2@473.02,221.75
NetD17_2: D17.2 U2.5 | length 237.7
  L1 (TOP) w0.508: D17.2@4.27,190.5 4.27,183.614 7.857,180.027 v1(25.459,180.027)
  L2 (BOT) w0.508: v1(25.459,180.027) U2.5@233.601,180.027
NetD18_2: D18.2 U2.6 | length 205.3
  L2 (BOT) w0.508: D18.2@35.52,190.5 35.52,184.742 38.965,181.297 U2.6@233.601,181.297
NetD19_2: D19.2 U2.7 | length 173.3
  L2 (BOT) w0.508: D19.2@66.77,190.5 66.77,185.129 69.333,182.567 U2.7@233.601,182.567
NetD20_2: D20.2 U2.8 | length 140.7
  L2 (BOT) w0.508: D20.2@98.02,190.5 98.02,186.391 100.575,183.837 U2.8@233.601,183.837
NetD21_2: D21.2 U2.9 | length 108.9
  L2 (BOT) w0.508: D21.2@129.27,190.5 129.27,186.479 130.642,185.107 U2.9@233.601,185.107
NetD22_2: D22.2 U2.10 | length 76.8
  L2 (BOT) w0.508: D22.2@160.52,190.5 160.52,187.116 161.259,186.377 U2.10@233.601,186.377
NetD23_2: D23.2 U2.11 | length 44.3
  L2 (BOT) w0.508: D23.2@191.77,190.5 191.77,188.228 192.351,187.647 U2.11@233.601,187.647
NetD24_2: D24.2 U2.12 | length 11.2
  L2 (BOT) w0.508: D24.2@223.02,190.5 227.583,190.5 229.166,188.917 U2.12@233.601,188.917
NetD25_2: D25.2 U2.13 | length 17.2
  L2 (BOT) w0.508: U2.13@242.801,188.917 245.494,188.917 247.701,191.124 247.701,192.623 248.85,193.772 253.599,193.772 254.27,193.101 D25.2@254.27,190.5
NetD26_2: D26.2 U2.14 | length 45
  L2 (BOT) w0.508: U2.14@242.801,187.647 284.558,187.647 285.52,188.609 D26.2@285.52,190.5
NetD27_2: D27.2 U2.15 | length 77.4
  L2 (BOT) w0.508: U2.15@242.801,186.377 315.6,186.377 316.77,187.547 D27.2@316.77,190.5
NetD28_2: D28.2 U2.16 | length 109.5
  L2 (BOT) w0.508: U2.16@242.801,185.107 346.142,185.107 348.02,186.984 D28.2@348.02,190.5
NetD29_2: D29.2 U2.17 | length 142.1
  L2 (BOT) w0.508: U2.17@242.801,183.837 377.459,183.837 379.27,185.647 D29.2@379.27,190.5
NetD30_2: D30.2 U2.18 | length 173.7
  L2 (BOT) w0.508: U2.18@242.801,182.567 407.252,182.567 410.52,185.835 D30.2@410.52,190.5
NetD31_2: D31.2 U2.19 | length 206.5
  L2 (BOT) w0.508: U2.19@242.801,181.297 438.993,181.297 441.77,184.073 D31.2@441.77,190.5
NetD32_2: D32.2 U2.20 | length 238.8
  L2 (BOT) w0.508: U2.20@242.801,180.027 469.711,180.027 473.02,183.336 D32.2@473.02,190.5
NetD33_2: D33.2 U3.5 | length 237.7
  L1 (TOP) w0.508: D33.2@4.27,159.25 4.27,152.397 7.891,148.777 v1(26.01,148.777)
  L2 (BOT) w0.508: v1(26.01,148.777) U3.5@233.601,148.777
NetD34_2: D34.2 U3.6 | length 206
  L2 (BOT) w0.508: D34.2@35.52,159.25 35.52,152.18 37.653,150.047 U3.6@233.601,150.047
NetD35_2: D35.2 U3.7 | length 173
  L2 (BOT) w0.508: D35.2@66.77,159.25 66.77,154.267 69.72,151.317 U3.7@233.601,151.317
NetD36_2: D36.2 U3.8 | length 140.8
  L2 (BOT) w0.508: D36.2@98.02,159.25 98.02,154.979 100.412,152.587 U3.8@233.601,152.587
NetD37_2: D37.2 U3.9 | length 108.9
  L2 (BOT) w0.508: D37.2@129.27,159.25 129.27,155.266 130.68,153.857 U3.9@233.601,153.857
NetD38_2: D38.2 U3.10 | length 76.4
  L2 (BOT) w0.508: D38.2@160.52,159.25 160.52,156.528 161.922,155.127 U3.10@233.601,155.127
NetD39_2: D39.2 U3.11 | length 44.4
  L2 (BOT) w0.508: D39.2@191.77,159.25 191.77,156.965 192.339,156.397 U3.11@233.601,156.397
NetD40_2: D40.2 U3.12 | length 11.2
  L2 (BOT) w0.508: D40.2@223.02,159.25 227.595,159.25 229.179,157.667 U3.12@233.601,157.667
NetD41_2: D41.2 U3.13 | length 17
  L2 (BOT) w0.508: U3.13@242.801,157.667 246.756,157.667 248.251,159.161 248.251,161.036 249.55,162.335 253.349,162.335 254.27,161.414 D41.2@254.27,159.25
NetD42_2: D42.2 U3.14 | length 45.1
  L2 (BOT) w0.508: U3.14@242.801,156.397 284.745,156.397 285.52,157.171 D42.2@285.52,159.25
NetD43_2: D43.2 U3.15 | length 77.3
  L2 (BOT) w0.508: U3.15@242.801,155.127 315.337,155.127 316.77,156.559 D43.2@316.77,159.25
NetD44_2: D44.2 U3.16 | length 109.5
  L2 (BOT) w0.508: U3.16@242.801,153.857 346.205,153.857 348.02,155.672 D44.2@348.02,159.25
NetD45_2: D45.2 U3.17 | length 141.8
  L2 (BOT) w0.508: U3.17@242.801,152.587 377.047,152.587 379.27,154.81 D45.2@379.27,159.25
NetD46_2: D46.2 U3.18 | length 174.3
  L2 (BOT) w0.508: U3.18@242.801,151.317 408.164,151.317 410.52,153.673 D46.2@410.52,159.25
NetD47_2: D47.2 U3.19 | length 206.3
  L2 (BOT) w0.508: U3.19@242.801,150.047 438.531,150.047 441.77,153.285 D47.2@441.77,159.25
NetD48_2: D48.2 U3.20 | length 238.5
  L2 (BOT) w0.508: U3.20@242.801,148.777 469.223,148.777 473.02,152.573 D48.2@473.02,159.25
NetD49_2: D49.2 U4.5 | length 237.6
  L1 (TOP) w0.508: D49.2@4.27,128 4.27,121.206 7.949,117.527 v1(25.401,117.527)
  L2 (BOT) w0.508: v1(25.401,117.527) U4.5@233.601,117.527
NetD50_2: D50.2 U4.6 | length 205.4
  L2 (BOT) w0.508: D50.2@35.52,128 35.52,121.942 38.665,118.797 U4.6@233.601,118.797
NetD51_2: D51.2 U4.7 | length 173.2
  L2 (BOT) w0.508: D51.2@66.77,128 66.77,122.654 69.358,120.067 U4.7@233.601,120.067
NetD52_2: D52.2 U4.8 | length 141.1
  L2 (BOT) w0.508: D52.2@98.02,128 98.02,123.316 100,121.337 U4.8@233.601,121.337